# Altium PCB CT310高端控制盒基板电路V1.0.PcbDoc (part 5 of 8)
Units mil, origin at the board's own origin, x right, y up, seen from the top; angles counter-clockwise.
Board outline 8162.61 x 6196.81 mil, 2 copper layers (Top Layer, Bottom Layer), stack 65.792 mil thick; 265 components, 178 nets, 926 pads, 298 vias.
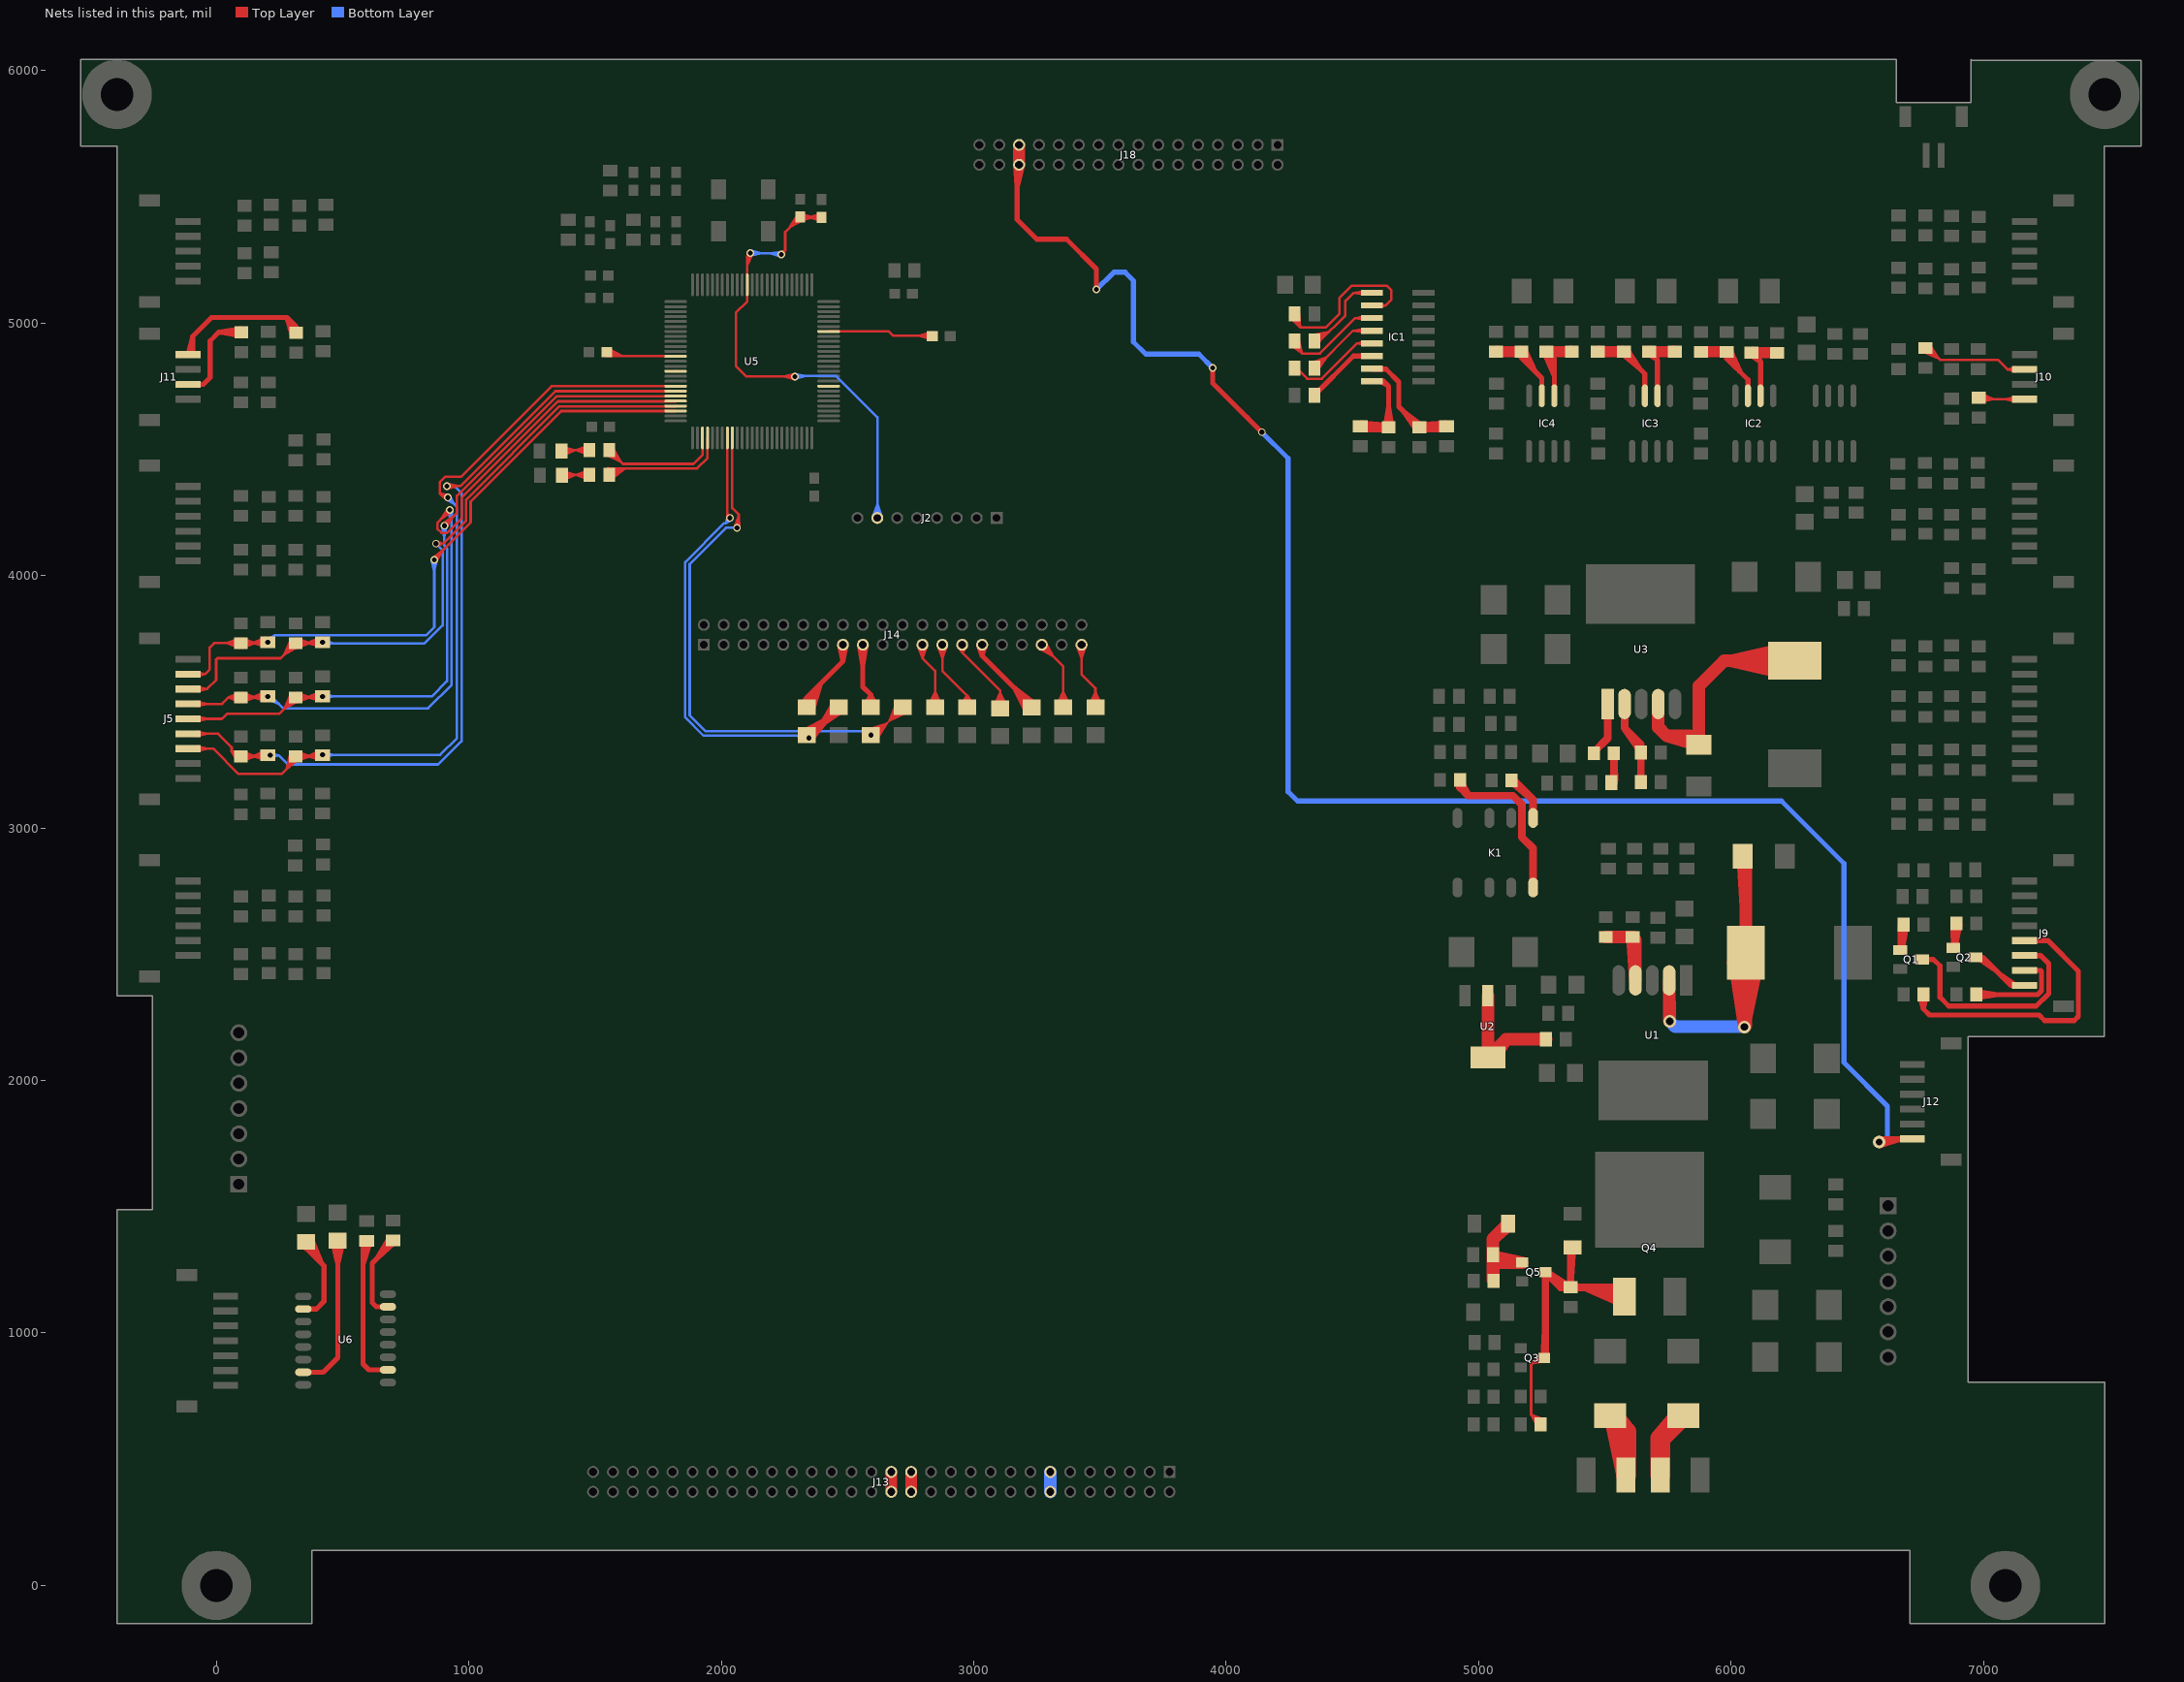
[diagram p5: the nets of this part, all layers, seen from the top]

## Via types
v1: diameter 30, hole 20, Top Layer to Bottom Layer, tented both sides, 226 vias
v2: diameter 60, hole 30, Top Layer to Bottom Layer, tented both sides, 32 vias
v3: diameter 50, hole 30, Top Layer to Bottom Layer, tented both sides, 20 vias
v4: diameter 80, hole 50, Top Layer to Bottom Layer, tented both sides, 10 vias
v5: diameter 50, hole 28, Top Layer to Bottom Layer, tented both sides, 8 vias
v6: diameter 30, hole 16, Top Layer to Bottom Layer, tented both sides, 1 vias
v7: diameter 24, hole 16, Top Layer to Bottom Layer, tented both sides, 1 vias

## Nets (pads, with @x,y where several pads share a name; then routed paths per layer and width w, separated by ;. In a path a pad name is that pad's centre, name@x,y a point inside that pad or via, vN(x,y) a via of type N, cw(c..) or ccw(c..) an arc to the next point about the centre after c; other vN are vias at no path point) (continued)
KJ_B3: C42.1 J5.3 R41.1 U5.43 | length 5962.4
  Top Layer w10: J5.3@-111.93,3314.19 -12.19,3314.19 88,3214 259,3214 305,3260 ; J5.3@-76.5,3314.19 -32.72,3314.19 ; J5.3@-75.62,3305.45 -32.72,3314.19 ; J5.3@-75.62,3322.92 -32.72,3314.19 ; R41.1@292.86,3291.19 278.55,3233.55 ; R41.1@302.38,3287.95 278.55,3233.55 ; R41.1@313.94,3283.93 R41.1@333.93,3283.93 ; R41.1@316.97,3278.84 278.55,3233.55 ; R41.1@317.88,3283.93 371.5,3283.93 ; R41.1@318.57,3275.33 371.5,3283.93 ; R41.1@318.57,3292.52 371.5,3283.93 ; R41.1@321.11,3265.59 371.5,3283.93 ; R41.1@321.11,3302.26 371.5,3283.93 ; R41.1@324.06,3271.71 278.55,3233.55 ; C42.1@410.77,3286.65 C42.1@409.84,3305.92 ; C42.1@412.52,3269.33 360.64,3283.93 ; C42.1@413.07,3296.38 360.64,3283.93 ; C42.1@414.33,3279.24 360.64,3283.93 ; C42.1@414.39,3287.86 360.64,3283.93 ; C42.1@417.92,3299.42 371.73,3282.96 ; C42.1@417.98,3299.43 374.31,3283.93 ; C42.1@418.16,3299.47 375.39,3285.01 ; C42.1@418.5,3299.54 360.64,3283.93 ; C42.1@418.64,3299.57 372.94,3286.85 ; C42.1@419.84,3279.72 372.94,3286.85 ; C42.1@420.23,3279.71 375.39,3285.01 ; C42.1@420.3,3287.86 416.36,3283.93 R41.1@333.93,3283.93 ; C42.1@420.43,3279.71 360.64,3283.93 ; C42.1@420.46,3279.71 374.31,3283.93 ; C42.1@420.65,3279.71 371.73,3282.96 ; C42.1@427.01,3297.12 C42.1@409.84,3305.92 ; v1@911.32,4300.77 885,4325 ; v1@920.18,4318.48 885,4325 ; 1744.15,4749.87 U5.43@1779.9,4749.87 ; U5.43@1819.15,4749.87 1327.87,4749.87 969,4391 906,4391 885,4370 885,4325 ; 278.55,3233.55 R41.1@310.01,3283.93 ; 305,3260 310,3260 ; 305,3260 325.41,3273.46 305,3260 ; 305,3260 291.7,3280.51 305,3260 ; 305,3260 318,3280.7 305,3260 ; 305,3260 301.39,3284.17 305,3260 ; 305,3260 R41.1@310.01,3283.93 ; 305,3260 R41.1@310.01,3283.93 ; 310,3260 R41.1@333.93,3283.93 ; 310,3260 327.16,3276.67 310,3260 ; 310,3260 292.85,3276.68 310,3260 ; 310,3260 318.49,3282.37 310,3260 ; 310,3260 301.52,3282.37 310,3260 ; 310,3260 R41.1@310.01,3283.93 ; 310,3260 R41.1@310.01,3283.93 ; 360.64,3283.93 C42.1@409.84,3305.92 ; 360.64,3283.93 v1(420.3,3289.7) ; 371.73,3282.96 v1(420.3,3289.7) ; 372.94,3286.85 v1(420.3,3289.7) ; 374.31,3283.93 v1(420.3,3289.7) ; 375.39,3285.01 v1(420.3,3289.7) ; C42.1@409.84,3305.92 v1(420.3,3289.7) ; 885,4325 901,4309 ; 885,4325 v1(917,4309) ; 901,4309 v1(917,4309) ; 901,4309 913.88,4299.5 901,4309 ; 901,4309 913.88,4318.5 901,4309 ; 901,4309 v1(917,4309)
  Bottom Layer w10: v1(420.3,3289.7) 886.7,3289.7 953,3356 953,4271.6 942,4282.6 942,4284 ; v1@421.41,3279.77 465.3,3289.7 v1@421.41,3299.64 ; v1@911,4301 942,4284 ; v1(917,4309) 942,4284 ; v1@925,4315 942,4284
KJ_B4: C46.1 J5.4 R49.1 U5.44 | length 5254.5
  Top Layer w10: J5.4@-111.93,3373.24 6.76,3373.24 60.5,3319.5 60.5,3301.5 ; J5.4@-76.5,3373.24 -32.72,3373.24 ; J5.4@-75.62,3364.5 -32.72,3373.24 ; J5.4@-75.62,3381.98 -32.72,3373.24 ; R49.1@80.75,3270.22 60.5,3301.5 ; R49.1@88.44,3276.84 60.5,3301.5 ; R49.1@93.36,3283.93 60.5,3301.5 ; R49.1@96.52,3291.95 60.5,3301.5 ; R49.1@97.76,3302.02 60.5,3301.5 ; R49.1@101.23,3283.93 154.85,3283.93 ; R49.1@101.93,3275.33 154.85,3283.93 ; R49.1@101.93,3292.52 154.85,3283.93 ; R49.1@104.47,3265.59 154.85,3283.93 ; R49.1@104.47,3302.26 154.85,3283.93 ; C46.1@193.2,3305.92 143.96,3283.93 ; C46.1@195.88,3269.33 143.96,3283.93 ; C46.1@206,3294.86 C46.1@197.68,3279.24 ; C46.1@206.39,3280.49 C46.1@196.43,3296.38 ; C46.1@209.89,3278.4 C46.1@197.74,3287.86 ; C46.1@209.89,3297.32 C46.1@197.74,3287.86 ; C46.1@211.26,3297.68 165.94,3283.93 ; C46.1@211.55,3297.73 168.1,3285.69 ; C46.1@212.51,3277.88 168.1,3285.69 ; C46.1@212.91,3277.86 165.94,3283.93 ; C46.1@215.14,3297.66 C46.1@196.43,3296.38 ; C46.1@215.35,3278.11 C46.1@197.68,3279.24 ; v1(913,4354) 966.18,4354 1342.36,4730.18 U5.44@1819.15,4730.18 ; v1@914.11,4344.06 958,4354 v1@914.11,4363.94 ; 1744.15,4730.18 U5.44@1779.9,4730.18 ; 60.5,3301.5 78.07,3283.93 R49.1@97.3,3283.93 199.71,3283.93 C46.1@203.65,3287.86 v1(213.14,3287.86) ; 143.96,3283.93 C46.1@197.68,3279.24 ; 143.96,3283.93 C46.1@196.43,3296.38 ; 143.96,3283.93 C46.1@197.74,3287.86 ; 143.96,3283.93 212.99,3277.86 144.67,3284.09 ; 143.96,3283.93 211.85,3297.78 144.67,3284.09 ; 143.96,3283.93 v1(213.14,3287.86) ; 144.67,3284.09 v1(213.14,3287.86) ; 165.94,3283.93 v1(213.14,3287.86) ; 168.1,3285.69 v1(213.14,3287.86) ; C46.1@196.43,3296.38 v1(213.14,3287.86) ; C46.1@197.68,3279.24 v1(213.14,3287.86) ; C46.1@197.74,3287.86 v1(213.14,3287.86)
  Bottom Layer w10: v1(213.14,3287.86) 247.14,3287.86 ; v1@214.61,3277.97 247.14,3287.86 ; v1@214.61,3297.75 247.14,3287.86 ; v1(913,4354) 943,4354 ; v1@914.67,4344.14 943,4354 ; v1@914.67,4363.86 943,4354 ; 247.14,3287.86 283.3,3251.7 878.7,3251.7 971,3344 971,4326 943,4354
KJ_B5: C35.1 J5.5 R26.1 U5.45 | length 4777
  Top Layer w10: J5.5@-111.93,3432.3 22.3,3432.3 42,3452 248.95,3452 R26.1@313.94,3516.99 416.36,3516.99 v1(420.3,3520.92) ; J5.5@-76.5,3432.3 -32.72,3432.3 ; J5.5@-75.62,3423.56 -32.72,3432.3 ; J5.5@-75.62,3441.03 -32.72,3432.3 ; R26.1@294.48,3527.28 269.11,3472.15 ; R26.1@303.24,3522.33 269.11,3472.15 ; R26.1@310.01,3516.99 269.11,3472.15 ; R26.1@315.95,3510.74 269.11,3472.15 ; R26.1@317.88,3516.99 371.5,3516.99 ; R26.1@318.57,3508.39 371.5,3516.99 ; R26.1@318.57,3525.58 371.5,3516.99 ; R26.1@321.11,3498.65 371.5,3516.99 ; R26.1@321.11,3535.33 371.5,3516.99 ; R26.1@321.67,3502.48 269.11,3472.15 ; C35.1@409.84,3538.98 360.61,3516.99 ; C35.1@412.52,3502.4 360.61,3516.99 ; C35.1@413.07,3529.45 360.61,3516.99 ; C35.1@414.33,3512.3 360.61,3516.99 ; C35.1@414.39,3520.92 360.61,3516.99 ; C35.1@418.22,3530.71 372.66,3515.94 ; C35.1@418.35,3530.73 374.79,3516.99 ; C35.1@418.56,3530.77 375.35,3518.07 ; C35.1@419.01,3530.84 371.93,3519.68 ; C35.1@419.52,3510.95 371.93,3519.68 ; C35.1@419.82,3510.94 375.35,3518.07 ; C35.1@420.06,3510.93 374.79,3516.99 ; C35.1@420.29,3510.92 372.66,3515.94 ; v1@896.51,4204.61 938.32,4233.72 ; v1(903,4197) 938.32,4233.72 ; v1@903,4198.4 953,4248.4 953,4315.37 1348.13,4710.5 U5.45@1819.15,4710.5 ; v1@910.85,4190.81 938.32,4233.72 ; 1744.15,4710.5 U5.45@1779.9,4710.5 ; 371.93,3519.68 v1(420.3,3520.92) ; 372.66,3515.94 v1(420.3,3520.92) ; 374.79,3516.99 v1(420.3,3520.92) ; 375.35,3518.07 v1(420.3,3520.92)
  Bottom Layer w10: v1(420.3,3520.92) 852.92,3520.92 914,3582 914,4107.46 903,4118.46 v1(903,4197) ; v1@421.41,3510.99 465.3,3520.92 v1@421.41,3530.86 ; v1@893.06,4195.89 903,4152 v1@912.94,4195.89
KJ_B6: C39.1 J5.6 R34.1 U5.46 | length 5062.6
  Top Layer w10: J5.6@-111.93,3491.35 22.37,3491.35 48.01,3516.99 ; J5.6@-76.5,3491.35 -32.72,3491.35 ; J5.6@-75.62,3482.62 -32.72,3491.35 ; J5.6@-75.62,3500.09 -32.72,3491.35 ; R34.1@89.53,3498.76 48.01,3516.99 ; R34.1@89.53,3535.21 48.01,3516.99 ; R34.1@92.54,3508.41 48.01,3516.99 ; R34.1@92.54,3525.57 48.01,3516.99 ; R34.1@93.36,3516.99 48.01,3516.99 ; R34.1@101.23,3516.99 154.85,3516.99 ; R34.1@101.93,3508.39 154.85,3516.99 ; R34.1@101.93,3525.58 154.85,3516.99 ; R34.1@104.47,3498.65 154.85,3516.99 ; R34.1@104.47,3535.33 154.85,3516.99 ; C39.1@193.2,3538.98 143.96,3516.99 ; C39.1@195.88,3502.4 143.96,3516.99 ; C39.1@196.43,3529.45 143.96,3516.99 ; C39.1@197.68,3512.3 143.96,3516.99 ; C39.1@197.74,3520.92 143.96,3516.99 ; C39.1@199.71,3516.99 R34.1@97.3,3516.99 48.01,3516.99 ; C39.1@201.58,3530.71 156.01,3515.94 ; C39.1@201.7,3530.73 158.14,3516.99 ; C39.1@201.91,3530.77 158.7,3518.07 ; C39.1@202.36,3530.84 155.29,3519.68 ; C39.1@202.87,3510.95 155.29,3519.68 ; C39.1@203.17,3510.94 158.7,3518.07 ; C39.1@203.42,3510.93 158.14,3516.99 ; C39.1@203.65,3510.92 156.01,3515.94 ; v1@917.15,4266.19 889.73,4223.33 ; v1@931.49,4252.39 889.73,4223.33 ; 1744.14,4689.88 U5.46@1779.9,4690.81 ; U5.46@1819.15,4690.81 1818.21,4689.88 1352.97,4689.88 971,4307.91 971,4225.4 914.6,4169 891.4,4169 875,4185.4 875,4208.6 884.7,4218.3 925,4258.6 v1(925,4260) 889.73,4223.33 ; 155.29,3519.68 v1(203.65,3520.92) ; 156.01,3515.94 v1(203.65,3520.92) ; 158.14,3516.99 v1(203.65,3520.92) ; 158.7,3518.07 v1(203.65,3520.92)
  Bottom Layer w10: v1@198.89,3512.13 247.41,3491.59 ; v1@209.98,3528.66 247.41,3491.59 ; v1@915.31,4257.52 932,4212.47 ; v1@934.99,4260.42 932,4212.47 ; 247.41,3491.59 v1(203.65,3520.92) 218.08,3520.92 265,3474 839,3474 932,3567 932,4253 v1(925,4260) 932,4212.47
KJ_B7: C43.1 J5.7 R42.1 U5.47 | length 4466.5
  Top Layer w10: J5.7@-111.93,3550.41 -36.59,3550.41 ; J5.7@-76.5,3550.41 -36.59,3550.41 ; J5.7@-75.53,3541.68 -36.59,3550.41 ; J5.7@-75.53,3559.13 -36.59,3550.41 ; R42.1@294.48,3742.28 269.11,3687.15 ; R42.1@303.24,3737.33 269.11,3687.15 ; R42.1@310.01,3731.99 269.11,3687.15 ; R42.1@315.95,3725.74 269.11,3687.15 ; R42.1@317.88,3731.99 371.5,3731.99 ; R42.1@318.57,3723.39 371.5,3731.99 ; R42.1@318.57,3740.58 371.5,3731.99 ; R42.1@321.11,3713.65 371.5,3731.99 ; R42.1@321.11,3750.33 371.5,3731.99 ; R42.1@321.67,3717.48 269.11,3687.15 ; C43.1@409.84,3753.98 360.61,3731.99 ; C43.1@412.52,3717.4 360.61,3731.99 ; C43.1@413.07,3744.45 360.61,3731.99 ; C43.1@414.33,3727.3 360.61,3731.99 ; C43.1@414.39,3735.92 360.61,3731.99 ; C43.1@416.36,3731.99 R42.1@313.94,3731.99 253.95,3672 4,3672 -1,3667 -1,3586 -36.59,3550.41 ; C43.1@418.22,3745.71 372.66,3730.94 ; C43.1@418.35,3745.73 374.79,3731.99 ; C43.1@418.56,3745.77 375.35,3733.07 ; C43.1@419.01,3745.84 371.93,3734.68 ; C43.1@419.52,3725.95 371.93,3734.68 ; C43.1@419.82,3725.94 375.35,3733.07 ; C43.1@420.06,3725.93 374.79,3731.99 ; C43.1@420.29,3725.92 372.66,3730.94 ; v1(870,4126) 897.05,4126 ; v1@871.85,4116.17 897.05,4126 ; v1@871.85,4135.83 897.05,4126 ; 1744.14,4670.19 U5.47@1779.9,4671.13 ; U5.47@1819.15,4671.13 1818.21,4670.19 1358.74,4670.19 989,4300.46 989,4217.95 897.05,4126 ; 371.93,3734.68 v1(420.3,3735.92) ; 372.66,3730.94 v1(420.3,3735.92) ; 374.79,3731.99 v1(420.3,3735.92) ; 375.35,3733.07 v1(420.3,3735.92)
  Bottom Layer w10: v1@420.31,3725.92 466.35,3731 ; v1@422.43,3745.69 466.35,3731 ; v1(870,4126) 896,4100 896,3802.54 824.46,3731 425.22,3731 v1(420.3,3735.92) 466.35,3731
KJ_B8: C47.1 J5.8 R50.1 U5.48 | length 4442.3
  Top Layer w10: J5.8@-111.93,3609.46 -44.54,3609.46 ; J5.8@-76.5,3609.46 -44.54,3609.46 ; J5.8@-75.29,3600.76 -44.54,3609.46 ; J5.8@-75.29,3618.16 -44.54,3609.46 ; R50.1@90.12,3713.65 39.74,3731.99 ; R50.1@90.12,3750.33 39.74,3731.99 ; R50.1@92.67,3723.39 39.74,3731.99 ; R50.1@92.67,3740.58 39.74,3731.99 ; R50.1@93.36,3731.99 39.74,3731.99 ; R50.1@101.23,3731.99 154.85,3731.99 ; R50.1@101.93,3723.39 154.85,3731.99 ; R50.1@101.93,3740.58 154.85,3731.99 ; R50.1@104.47,3713.65 154.85,3731.99 ; R50.1@104.47,3750.33 154.85,3731.99 ; C47.1@193.2,3753.98 143.96,3731.99 ; C47.1@195.88,3717.4 143.96,3731.99 ; C47.1@196.43,3744.45 143.96,3731.99 ; C47.1@197.68,3727.3 143.96,3731.99 ; C47.1@197.74,3735.92 143.96,3731.99 ; C47.1@201.58,3745.71 156.01,3730.94 ; C47.1@201.7,3745.73 158.14,3731.99 ; C47.1@201.91,3745.77 158.7,3733.07 ; C47.1@202.36,3745.84 155.29,3734.68 ; C47.1@202.87,3725.95 155.29,3734.68 ; C47.1@203.17,3725.94 158.7,3733.07 ; C47.1@203.42,3725.93 158.14,3731.99 ; C47.1@203.65,3725.92 156.01,3730.94 ; v1@856.19,4069.32 896.9,4100.39 ; v1@871.11,4056.14 896.9,4100.39 ; 1744.15,4651.44 U5.48@1779.9,4651.44 ; U5.48@1819.15,4651.44 1365.44,4651.44 1007,4293 1007,4210.49 863,4066.49 v1(863,4062) 896.9,4100.39 ; -44.54,3609.46 -26,3628 -26,3715 -9.01,3731.99 R50.1@97.3,3731.99 199.71,3731.99 v1(203.65,3735.92) ; 155.29,3734.68 v1(203.65,3735.92) ; 156.01,3730.94 v1(203.65,3735.92) ; 158.14,3731.99 v1(203.65,3735.92) ; 158.7,3733.07 v1(203.65,3735.92)
  Bottom Layer w10: v1@197.53,3743.83 231.65,3763.92 ; v1(203.65,3735.92) 231.65,3763.92 ; v1@211.56,3729.8 231.65,3763.92 ; v1@853.06,4060.89 863,4017 v1@872.94,4060.89 ; v1(863,4062) 863,3795 831.92,3763.92 231.65,3763.92
LCD_ONOFF: R45.2 R54.2 U5.58 | length 3143
  Top Layer w10: 2023.87,4470.15 U5.58@2023.87,4505.9 ; U5.58@2023.87,4545.15 2023.87,4270.87 2023,4270 2023,4244 ; 2023,4244 2034,4233 v1(2034,4228) ; 2023,4244 2024.58,4224.65 2023,4244 ; 2023,4244 2040.5,4235.6 2023,4244 ; 2023,4244 v1(2034,4228) ; 2023,4244 v1(2034,4228)
  Top Layer w20: R54.2@2330.15,3385.66 2422.96,3435.71 ; R54.2@2338.3,3367.88 2355.14,3367.88 R45.2@2465.37,3478.12 ; R54.2@2342.23,3367.88 2422.96,3435.71 ; R54.2@2357.67,3352.92 2422.96,3435.71 ; 2402.6,3415.34 v1(2347,3356) ; 2402.96,3418.9 v1(2347,3356) ; 2406.24,3414.51 v1(2347,3356) ; R45.2@2444.35,3491.17 2391.45,3404.2 ; R45.2@2461.44,3478.12 2391.45,3404.2 ; R45.2@2475.4,3461.77 2391.45,3404.2
  Bottom Layer w10: v1@2025.04,4232.44 2018,4207 ; v1@2040.66,4220.54 2018,4207 ; v1@2344.13,3346.42 2296.14,3366 ; v1@2347.97,3365.95 2296.14,3366 ; 2018,4207 2034,4223 v1(2034,4228) 2018,4207 ; 2018,4207 2011.54,4207 1857,4052.46 1857,3438.54 1929.54,3366 2337,3366 v1(2347,3356) 2296.14,3366
LCD_PWM: R53.2 R58.2 U5.59 | length 4494.2
  Top Layer w10: 2043.56,4470.15 U5.59@2043.56,4505.9 ; U5.59@2043.56,4545.15 2043.56,4267.44 2069,4242 2069,4196 v1(2062,4189) 2069,4235.44 ; v1@2052.33,4191.53 2069,4235.44 ; v1@2071.99,4188.57 2069,4235.44 ; R58.2@2583.96,3391.28 2655.91,3414.5 ; R58.2@2586.56,3375.97 2632.79,3403.45 ; R58.2@2587.1,3376.33 2631.05,3398.27 ; R58.2@2587.55,3376.6 2632.3,3396.01 ; R58.2@2587.7,3381.9 2655.91,3414.5 ; R58.2@2588.19,3376.93 2640.86,3396.18 ; R58.2@2588.63,3358.64 R58.2@2607.92,3356.08 ; R58.2@2592.61,3373.16 2655.91,3414.5 ; R58.2@2596.39,3367.88 2655.91,3414.5 ; R58.2@2598.25,3359.73 2640.86,3396.18 ; R58.2@2598.54,3359.95 2637.94,3396.53 ; R58.2@2598.64,3360.03 2635.25,3395.24 ; R58.2@2599.03,3360.35 2632.3,3396.01 ; R58.2@2599.4,3360.69 2631.05,3398.27 ; R58.2@2599.73,3361.03 2632.79,3403.45 ; R58.2@2600.36,3374.01 R58.2@2607.92,3356.08 ; R58.2@2600.61,3362.94 2655.91,3414.5 ; R58.2@2616.13,3350.21 2655.91,3414.5 ; R53.2@2693.16,3492.22 2666.82,3425.41 ; R53.2@2702.28,3487.86 2666.82,3425.41 ; R53.2@2710.63,3482.31 2666.82,3425.41 ; R53.2@2715.59,3478.12 2666.82,3425.41 ; R53.2@2719.53,3478.12 R58.2@2609.29,3367.88 ; R53.2@2720.16,3473.5 2666.82,3425.41 ; R53.2@2726.33,3465.6 2666.82,3425.41 ; R53.2@2731.39,3456.84 2666.82,3425.41 ; v1(2592.45,3367.88) R58.2@2609.29,3367.88 ; v1(2592.45,3367.88) 2632.79,3403.45 ; v1(2592.45,3367.88) 2631.05,3398.27 ; v1(2592.45,3367.88) 2632.3,3396.01 ; v1(2592.45,3367.88) 2637.94,3396.53 ; v1(2592.45,3367.88) R58.2@2609.29,3367.88 ; v1(2592.45,3367.88) 2640.86,3396.18 ; v1(2592.45,3367.88) R58.2@2607.92,3356.08 ; v1(2592.45,3367.88) 2635.25,3395.24 ; R58.2@2607.92,3356.08 2655.91,3414.5 ; R58.2@2609.29,3367.88 2595.42,3377.43 R58.2@2609.29,3367.88 ; R58.2@2609.29,3367.88 2595.42,3358.33 R58.2@2609.29,3367.88 ; 2635.25,3395.24 2587.92,3376.8 2637.94,3396.53
  Bottom Layer w10: v1(2062,4189) 2019,4189 1875,4045 1875,3446 1937,3384 2576.33,3384 ; v1@2584,3362.53 2576.33,3384 ; v1@2597.8,3376.33 2576.33,3384 ; 2576.33,3384 v1(2592.45,3367.88) 2576.33,3384
LED1: R100.1 U5.53 | length 805.8
  Top Layer w10: R100.1@1546.28,4476.84 1601.41,4451.46 ; R100.1@1551.23,4485.59 1601.41,4451.46 ; R100.1@1556.57,4492.36 1601.41,4451.46 ; R100.1@1556.57,4496.29 1610.87,4442 1890,4442 1925.3,4477.3 ; R100.1@1562.82,4498.3 1601.41,4451.46 ; R100.1@1571.08,4504.03 1601.41,4451.46 ; U5.53@1925.45,4505.9 1925.3,4477.3 ; U5.53@1925.45,4545.15 1925.3,4545 1925.3,4477.3
LED2: R101.1 U5.54 | length 862.6
  Top Layer w10: R101.1@1551.57,4424.69 1552.26,4424 1904,4424 1945.13,4465.13 U5.54@1945.13,4545.15 ; R101.1@1552.02,4416.75 1618.82,4424 ; R101.1@1553.84,4406.87 1618.82,4424 ; R101.1@1556.57,4398.69 1618.82,4424 ; R101.1@1560.32,4390.93 1618.82,4424 ; R101.1@1565.91,4382.58 1618.82,4424 ; 1945.13,4470.15 U5.54@1945.13,4505.9
LINE_IN_L: J12.6 J18.27 J18.28 | length 8940.8
  Top Layer w20: J18.28@3166.12,5627.07 3172,5541.87 ; J18.28@3166.17,5625.75 J18.27@3166.17,5704.49 ; J18.28@3166.17,5628.1 J18.27@3179.74,5705.67 ; J18.28@3166.58,5630.42 J18.27@3193.31,5704.49 ; J18.28@3192.91,5630.42 J18.27@3166.17,5704.49 ; J18.28@3193.17,5624.61 3172,5541.87 ; J18.28@3193.31,5625.75 J18.27@3193.31,5704.49 ; J18.28@3193.31,5628.1 J18.27@3179.74,5705.67 ; v1(3486,5133) 3486,5213.53 3367.53,5332 3250,5332 3172,5410 3172,5619.18 J18.28@3179.74,5626.93 ; 4083.57,4625.43 v1(4141,4568) 3947,4762 ; v5@6589.32,1741.37 J12.6@6674.48,1768.36 ; v5@6589.38,1741.39 J12.6@6672.62,1768.36 ; 6608.02,1768.36 J12.6@6681.8,1768.36 ; J12.6@6717.23,1768.36 6598.36,1768.36 v5(6586,1756) ; J18.27@3166.17,5704.49 J18.28@3179.74,5626.93 ; 3172,5541.87 J18.28@3179.74,5626.93 ; J18.28@3179.74,5626.93 J18.27@3179.74,5705.67 ; J18.28@3179.74,5626.93 J18.27@3193.31,5704.49 ; 3947,4762 v1(3947,4822) 3947,4762 ; v5(6586,1756) J12.6@6674.48,1768.36 ; v5(6586,1756) J12.6@6672.62,1768.36 ; J12.6@6672.62,1768.36 6585.16,1770.98 J12.6@6674.48,1768.36
  Bottom Layer w20: v1(3486,5133) 3543.82,5189.82 ; v1@3486.5,5132.5 3555,5201 3599.67,5201 3632.83,5167.83 3632.83,4925.17 3681,4877 3892,4877 v1(3947,4822) ; v1(4141,4568) 4245,4464 4245,3143.62 4282,3106.62 6199.38,3106.62 6447,2859 6447,2070.6 6619,1898.6 6619,1765 ; v5(6586,1756) 6610,1756 6619,1765 ; v5(6586,1756) 6619,1765 ; v5(6586,1756) 6619,1765 ; 6619,1765 6585.32,1770.98 6619,1765 ; 6619,1765 6593.02,1742.75 6619,1765
LINK&ACT: J13.13 J13.14 | length 78.7
  Bottom Layer w50: J13.14@3303.22,370.69 J13.13@3303.22,449.43
LJ_G1: J9.6 Q1.3 | length 963.1
  Top Layer w20: Q1.3@6756.76,2479.29 6801.71,2479.29 ; Q1.3@6764.64,2479.29 6801.71,2479.29 ; J9.6@7162.52,2494.71 7225.88,2494.71 ; J9.6@7197.96,2494.71 7225.88,2494.71 ; 6801.71,2479.29 6827,2454 6827,2329.58 6861.85,2294.74 7208.7,2294.74 7257.74,2343.77 7257.74,2462.85 7225.88,2494.71
LJ_G2: J9.8 Q2.3 | length 495
  Top Layer w20: Q2.3@6966.76,2487.29 6997.3,2487.29 ; 7050.13,2434.46 Q2.3@6974.64,2487.29 ; 7063.42,2421.17 J9.8@7127.09,2376.6 ; J9.8@7162.52,2376.6 7107.99,2376.6 ; Q2.3@6974.64,2487.29 6997.3,2487.29 ; Q2.3@6974.64,2487.29 6997.3,2487.29 ; 6997.3,2487.29 7107.99,2376.6 ; 7107.99,2376.6 J9.8@7127.09,2376.6 ; 7107.99,2376.6 J9.8@7127.09,2376.6
MD_USBDN: J13.29 J13.30 | length 708.7
  Top Layer w20: J13.30@2659.73,369.51 J13.29@2659.73,448.25 ; J13.30@2659.73,371.86 J13.29@2673.3,449.43 ; J13.30@2660.13,374.18 J13.29@2686.87,448.25 ; J13.30@2686.46,374.18 J13.29@2659.73,448.25 ; J13.30@2686.87,369.51 J13.29@2686.87,448.25 ; J13.30@2686.87,371.86 J13.29@2673.3,449.43 ; J13.29@2659.73,448.25 J13.30@2673.3,370.69 ; J13.30@2673.3,370.69 J13.29@2673.3,449.43 ; J13.30@2673.3,370.69 J13.29@2686.87,448.25
MD_USBDP: J13.27 J13.28 | length 708.7
  Top Layer w20: J13.28@2738.47,369.51 J13.27@2738.47,448.25 ; J13.28@2738.47,371.86 J13.27@2752.04,449.43 ; J13.28@2738.87,374.18 J13.27@2765.61,448.25 ; J13.28@2765.2,374.18 J13.27@2738.47,448.25 ; J13.28@2765.61,369.51 J13.27@2765.61,448.25 ; J13.28@2765.61,371.86 J13.27@2752.04,449.43 ; J13.27@2738.47,448.25 J13.28@2752.04,370.69 ; J13.28@2752.04,370.69 J13.27@2752.04,449.43 ; J13.28@2752.04,370.69 J13.27@2765.61,448.25
MT1_CTRL: U5.40 | length 1.3
  Top Layer w10: U5.40@1818.21,4809.86 U5.40@1819.15,4808.92
MT2_CTRL: U5.83
NetC12_2: C12.2 D6.2 Q5.1 R20.2 | length 1236.7
  Top Layer w50: C12.2@5056.67,1315.2 5056.67,1372.74 ; R20.2@5058.67,1206.3 R20.2@5056.67,1208.3 ; D6.2@5117.22,1425.42 5056.67,1372.74 ; D6.2@5117.22,1433.3 5056.67,1372.74 ; R20.2@5056.67,1208.3 C12.2@5056.67,1309.3 ; R20.2@5056.67,1208.3 C12.2@5056.67,1303.39 ; C12.2@5056.67,1303.39 5087.17,1278.8 ; C12.2@5056.67,1303.39 5058.67,1210.23 C12.2@5056.67,1309.3 ; C12.2@5056.67,1303.39 Q5.1@5172.05,1278.8 5087.17,1278.8 ; C12.2@5056.67,1303.39 5087.17,1278.8 ; C12.2@5056.67,1303.39 5168.11,1278.8 5087.17,1278.8 ; C12.2@5056.67,1303.39 5087.17,1278.8 ; C12.2@5056.67,1309.3 5087.17,1278.8 ; C12.2@5056.67,1309.3 5056.67,1372.74